# KiCad board All_Bloks_of_project.kicad_pcb (continued)
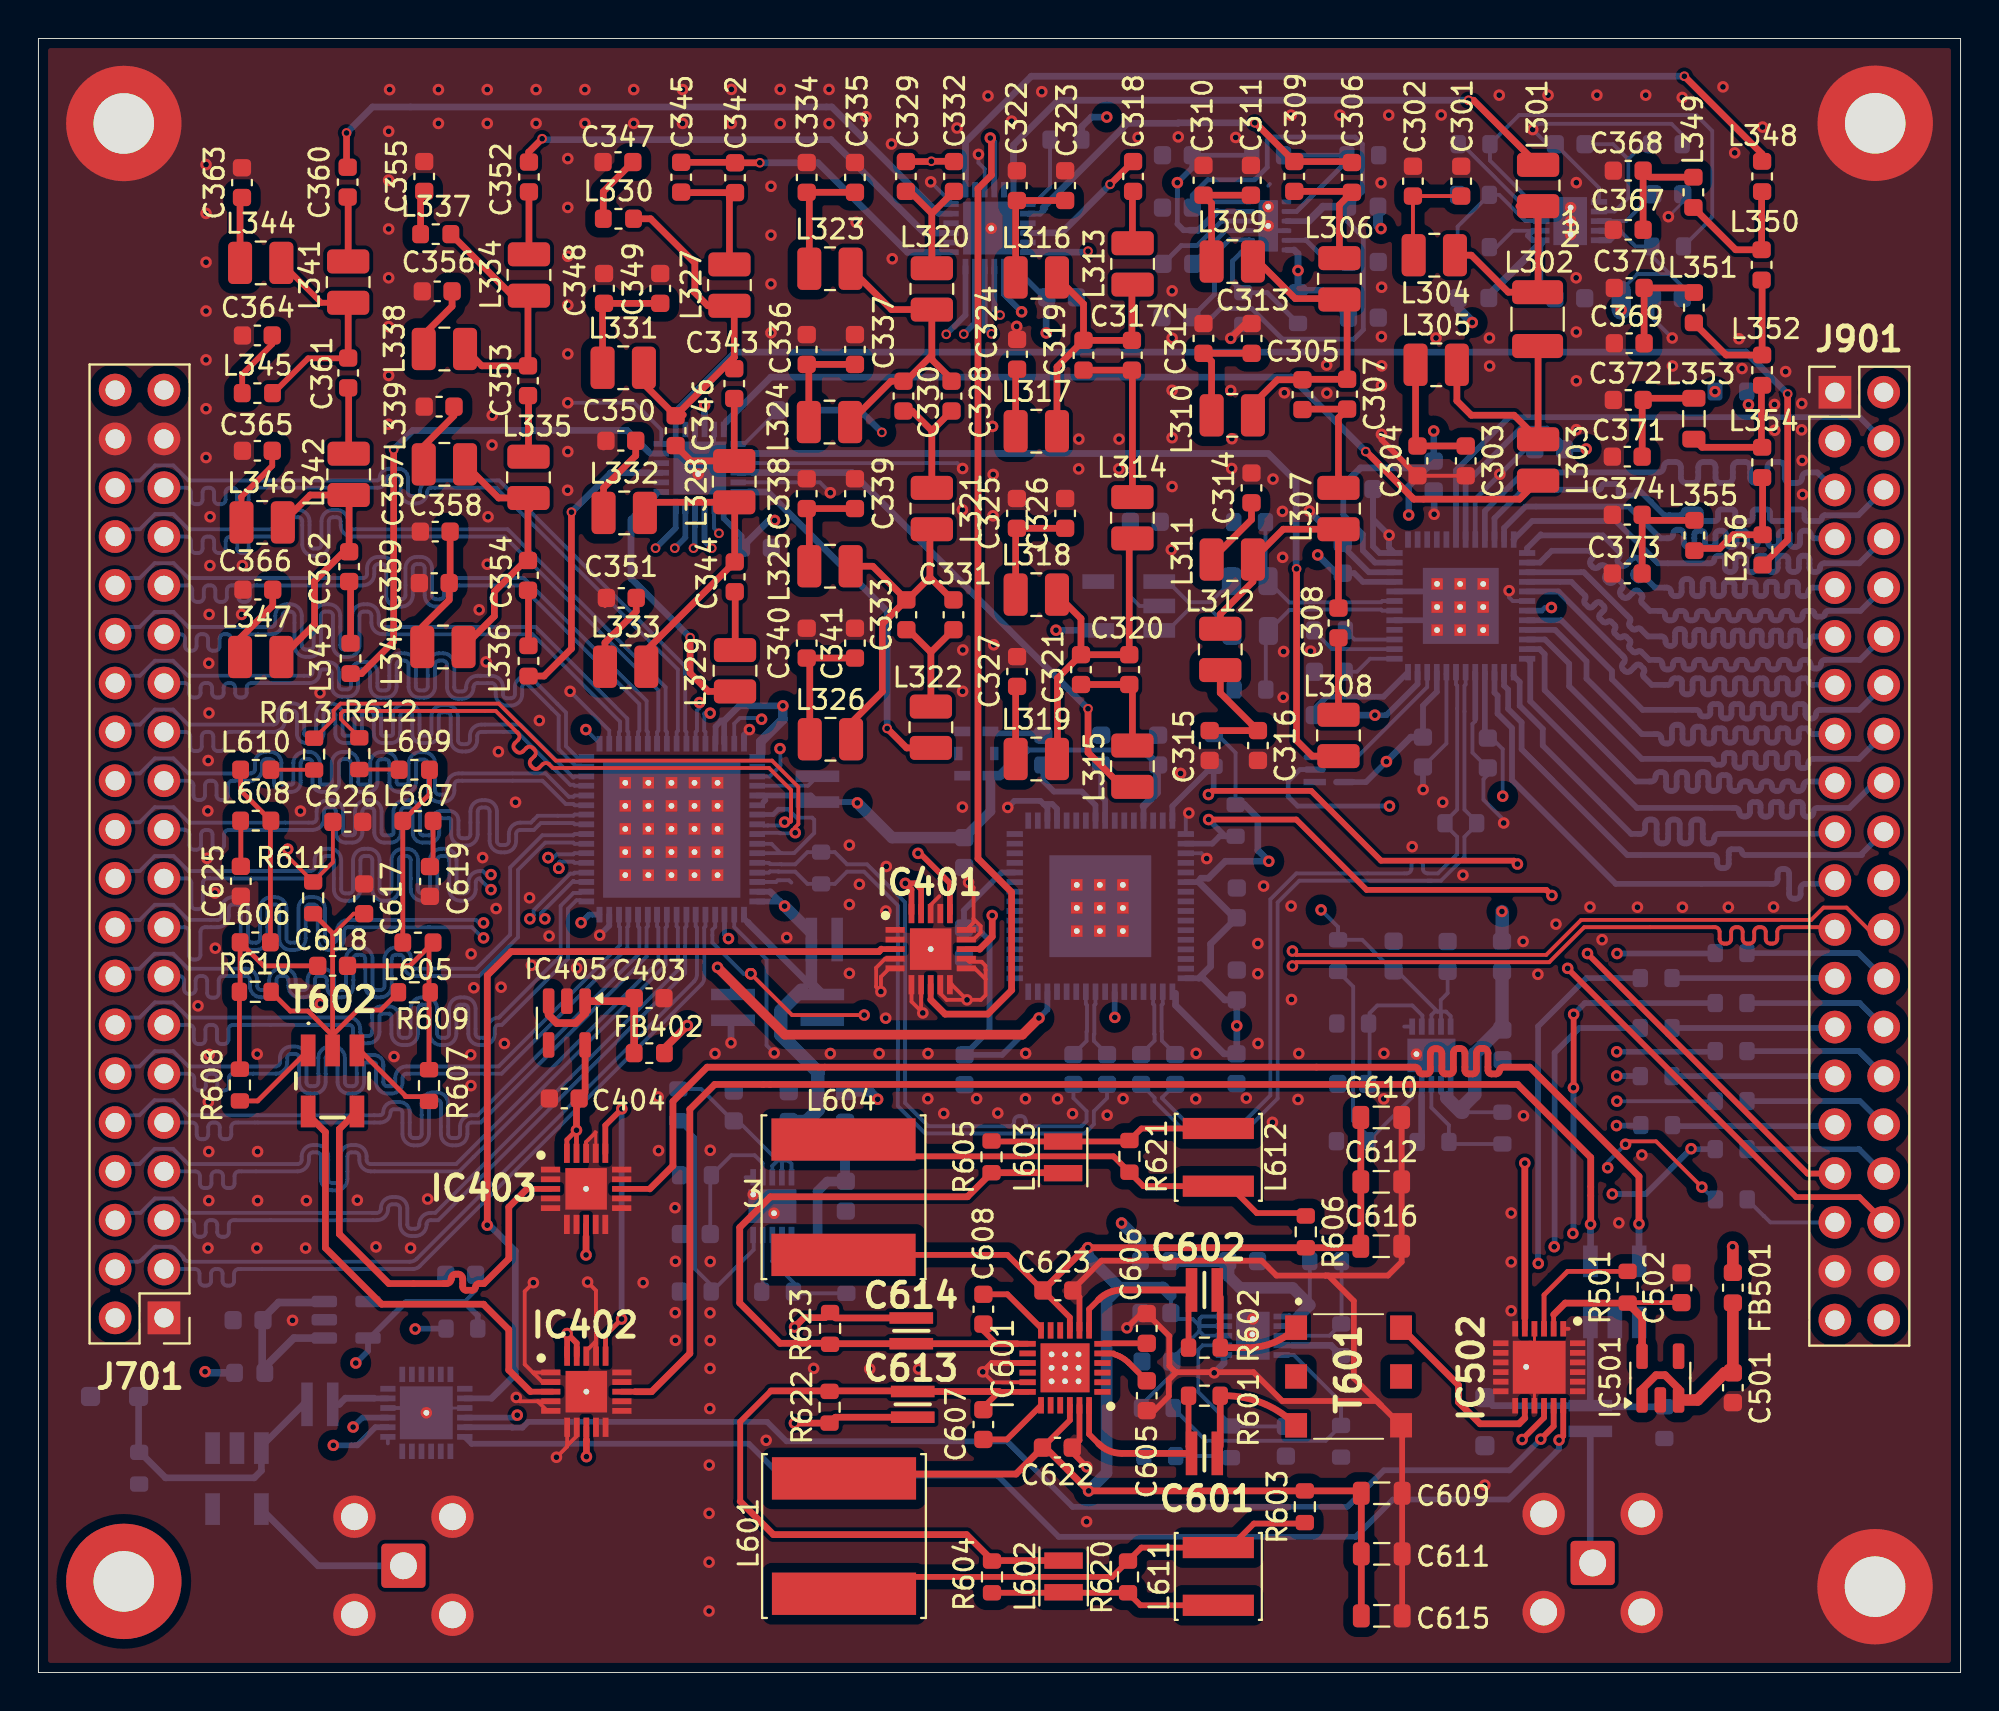
[diagram p0: board, top side]
## Nets (continued)
Pads without a net: IC101 4; IC201 20; IC202 20; IC203 1; IC405 4; IC501 4; IC601 1 2 3 4 10 11 14 16 20 21; IC801 1 2 5 6 7 10 11 12 14 15 20 21 23 24 25 26 27 28 29 30 31 36 37 38 40 43 44 45 47 48 49 50 51 52 53 54 55 56 57 58 59 61 62 63 64; IC901 16 25 26 27 28 29; J701 39 40; J901 22 39 40; NOREF#53 M3; T101 2; T601 2 5; T902 2; U902 1; X801 5

## Via types
v1: diameter 0.6, hole 0.3, Top to Bottom, 400 vias
v2: diameter 0.5, hole 0.3, Top to Bottom, 27 vias

## Routing (per net, layer and track width the routed paths; a pad name or vN(x,y) marks a point on that pad's centre or on a via; arc(x,y) is an arc through that point)
+1.8V_ADC: length 134.1
  Top w0.5: v1(52.05,34.05) 51.19,33.18 38.83,33.18 v1(35.33,36.68)
  In2.Cu w0.4: v1(28.23,39) 28.84,39.61 28.84,48.59 28.38,49.05 v1(28.48,49.05)
  In2.Cu w0.5: 67.08,39.32 64.2,42.2 v1(64.01,42.2) ; v1(28.23,39) 28.23,37.6 29.16,36.68 v1(35.33,36.68)
  In2.Cu w0.7: v1(52.05,34.05) 52.05,34.04 52.48,33.61 55.53,33.61 v1(56,34.08) 56.44,33.64 v1(62.34,33.64) 65.5,33.64 67.61,35.75 67.61,38.79 v1(66.73,39.67)
  Bottom w0.2: 59.16,35.33 59.07,35.42 IC801.33 ; 62.34,32.2 C821.1 ; 48.13,39.64 48.15,39.62 ; IC703.10 73.47,34.14 73.23,34.38 72.95,34.38 ; R802.2 62.28,47.85 61.34,48.79 R801.2 ; v1(66.73,39.67) 67.61,38.78 R710.2 68.87,38.11 70.49,36.49 C711.1 70.68,36.49 72.8,34.38 ; IC801.32 60.37,36.12 ; C712.1 73.32,35.34 72.95,34.98 72.95,34.38 ; IC701.49 29.19,48.34 v1(28.48,49.05) ; 72.8,34.38 72.95,34.38 ; 72.8,34.38 72.64,34.38 72.47,34.2 IC703.8 ; 72.95,34.38 72.97,34.36 IC703.9 ; 55.99,34.09 v1(56,34.08) ; C802.1 62.22,39.26 ; 60.37,41.12 IC801.22 ; C805.1 61.7,34.99
  Bottom w0.3: 60.48,41.32 60.28,41.12 IC801.22 ; IC801.46 52.49,34.49 v1(52.05,34.05) 50.14,32.13 C803.2 49.48,33.43 49.48,38.08 48.83,38.73 C804.2 48.15,39.62 ; IC701.32 28.65,39.42 v1(28.23,39) ; v1(35.33,36.68) 36.13,35.88 C703.2 ; IC801.39 55.99,34.09 ; 60.59,36.12 IC801.32 ; IC801.60 50.11,41.62 48.13,39.64
  Bottom w0.35: C821.1 61.68,32.19 59.16,34.71 59.16,35.33 ; 62.34,32.2 v1(62.34,33.64) C805.1 61.72,34.99 60.59,36.12 ; 60.48,41.32 60.87,41.32 61.75,42.2 v1(64.01,42.2) 63.44,42.77 63.44,44.45 62.74,45.15 R802.2 ; C802.1 60.98,37.9 60.98,36.73 60.37,36.12 ; 62.22,39.26 60.37,41.12
+3.3V_ADC: length 87.6
  In2.Cu w0.6: v1(38.73,50.28) 38.73,50.26 42.61,46.38 v1(42.61,45.23) 38.82,41.45 v1(38.82,39.87)
  Bottom w0.2: 38.66,26.63 38.45,26.63 ; 38.66,26.63 39.01,26.63 ; 38.66,26.63 38.68,26.61 IC702.9 ; 38.45,26.63 36.39,28.69 C707.1 ; 38.45,26.63 38.18,26.36 IC702.8 ; 39.01,26.63 39.01,28.64 C708.1 ; 39.01,26.63 39.18,26.46 IC702.10 ; 36.14,28.69 34.48,30.35 R705.2
  Bottom w0.25: 51.35,47.98 57.48,47.98
  Bottom w0.3: IC701.17 36.71,39.22 36.92,39.01 ; 37.72,45.28 37.82,45.38 ; v1(42.61,45.23) 42.56,45.28 C704.2 40.19,45.62 IC701.5 ; IC701.15 38.07,40.62 ; 58.2,47.15 C801.1 ; 35.67,49.5 35.67,48.31 ; IC701.16 38.58,40.11 ; 40.21,38.47 C705.2 ; C702.2 39.92,35.27 ; IC801.13 57.49,45.07 ; 35.23,48.31 35.23,49.21 35.52,49.5
  Bottom w0.35: 36.92,39.01 36.92,39 40.06,35.86 39.69,35.5 39.92,35.27 ; 38.07,40.62 v1(38.82,39.87) 38.58,40.11 ; v1(38.73,50.28) 36.45,50.28 35.67,49.5 35.52,49.5 ; X801.6 50.02,46.66
  Bottom w0.4: 58.2,47.15 58.2,45.77 57.49,45.07 ; 57.48,47.98 C801.1
  Bottom w0.5: v1(38.73,50.28) 38.73,49.57 37.58,48.42 37.58,47.81 ; X801.6 49.53,44.8 C806.2 ; 40.21,35.84 C702.2 ; 50.02,46.66 51.35,47.98
  Bottom w0.6: v1(42.61,45.23) 44.41,43.43 C806.2 ; C705.2 40.21,35.84 ; v1(38.82,39.87) 40.21,38.47
  Bottom w0.7: C708.1 39.96,28.66 40.55,29.26 40.55,31.23 38.63,33.16 38.63,34.43 39.69,35.5
+3.3V_B2: length 61.1
  In2.Cu w0.25: 35.55,59.26 v2(35.41,59.26)
  In2.Cu w0.3: v1(55.58,80.91) 56.27,80.22 56.27,78.55 56.85,77.97 58.76,77.97 59.23,77.5 v1(59.25,77.5) ; v2(43.88,64.51) 46.84,64.51 51.62,69.29 51.62,70.27 51.15,70.74 v1(51.15,70.78)
  In2.Cu w0.35: v1(51.15,70.78) 52.53,70.78 v1(59.25,77.5) ; v2(43.88,64.51) 41.42,64.51 36.17,59.26 v2(35.41,59.26)
  Bottom w0.2: v2(35.41,59.26) 35.16,59.51 IC202.8
  Bottom w0.25: 61.33,76 IC203.11 ; v1(59.25,77.5) 59.25,75.35 ; C207.2 R203.2
  Bottom w0.3: IC201.8 50.23,71.7 v1(51.15,70.78) ; 59.25,75.35 59.58,75.02 59.91,75.02 ; v1(59.25,77.5) 60.03,78.27 C207.2
  Bottom w0.35: R202.2 42.73,65.66 v2(43.88,64.51) ; 59.91,75.02 60.35,75.02 61.33,76 ; v1(55.58,80.91) 54.78,80.91 54.28,80.41 R201.2
+3.3V_DAC: length 131.4
  In2.Cu w0.2: 77.31,55.32 77.31,55.37
  In2.Cu w0.35: 77.31,55.32 76.53,54.54 76.53,53.04 76.47,52.98 72.03,52.98 71.53,53.48 71.53,59.97 v1(71.29,60.21) ; v1(78.71,55.4) 78.69,55.37 77.31,55.37 ; v1(70.13,47.38) 70.13,47.16 70.25,47.28 74.48,47.28 v1(76.18,45.58)
  In2.Cu w0.5: v1(72.59,64.58) 72.6,64.57
  In2.Cu w0.6: v1(66.55,58.13) 66.55,56.19 69.64,53.11 69.64,49.91 v1(69.53,49.8) 69.53,47.98 v1(70.13,47.38)
  In2.Cu w0.7: v1(66.55,58.13) 66.55,59.18 71.93,64.56 72.57,64.56 v1(72.59,64.58)
  In2.Cu w0.8: v1(80.52,63.64) 80.38,63.5 73.67,63.5 v1(72.59,64.58)
  In2.Cu w1: v1(82.35,70.88) 81.74,70.27 81.74,64.86 v1(80.52,63.64)
  Bottom w0.2: v1(76.18,45.58) 76.18,48.03 75.61,48.6 C901.1 75.25,48.76 ; 85.52,71.5 85.52,72.1 83.94,73.69 R908.2 83.08,74.18 ; 80.51,63.63 v1(80.52,63.64) ; 83.09,74.18 82.27,75 ; 81.57,74.5 IC902.10 81.2,74.49 ; 78.21,55.22 78.2,55.24 ; IC902.8 82.6,75.5 C911.1 ; C908.2 79.4,63.79 ; 84.82,72.74 83.19,72.74 82.35,71.9 ; 67.51,57.18 C906.1 ; 75.3,51.92 arc(75.29,51.98) IC901.4
  Bottom w0.25: 78.21,55.22 78.39,55.4 v1(78.71,55.4)
  Bottom w0.3: IC901.21 68.9,56.74 68.45,57.18 C906.1 ; 75.25,48.76 IC901.4 ; IC901.31 74.25,61.84 77.11,64.7 78.48,64.7 79.4,63.79 ; U902.5 69.07,46.32 v1(70.13,47.38) ; 72.03,48.65 72.03,50.29 72.75,51.01 IC901.9 ; IC901.11 71.75,51.42 70.13,49.8 v1(69.53,49.8) ; C908.2 80.51,63.63 ; 78.2,55.24 IC901.43 ; IC902.10 81.74,74.5 82.25,75.01 81.77,75.5 IC902.8 ; 82.27,75 IC902.9 ; IC901.23 69.53,57.74 68.91,58.36 68.91,59.2 67.89,60.22 C907.1
  Bottom w0.35: 72.03,48.65 71.4,48.65 v1(70.13,47.38) ; 72.59,63.01 72.23,62.66 68.78,62.66 67.89,61.76 C907.1 ; 72.59,63.01 71.29,61.71 v1(71.29,60.21) ; 72.59,63.01 v1(72.59,64.58) ; C903.1 v1(69.53,49.8) ; v1(66.55,58.13) 67.51,57.18
  Bottom w1: 82.35,71.9 v1(82.35,70.88)
+5V: length 12.8
  Top w0.2: 88.16,22.13 v1(88.14,22.15) ; FB402.1 32.57,32.47
  Top w0.4: 32.57,32.47 v1(33.76,33.66)
  Top w0.6: 88.16,20.8 88.16,22.13
  Bottom w0.2: 69.69,75.27 v1(69.85,75.11) ; 8.73,15.59 v1(8.67,15.65) ; 76.14,39.58 v1(76.14,39.59)
  Bottom w0.4: FB102.1 8.73,15.59
  Bottom w0.5: FB201.1 69.69,75.27 ; 73.89,70.93 v1(74.6,70.22) ; v1(43.66,29.82) 43.27,30.21 FB701.1
  Bottom w0.6: FB601.1 57.33,22.4 v1(56.35,23.38)
  Bottom w0.7: FB702.1 76.14,39.58
+5V_B6: length 105.1
  Top w0.3: IC601.9 53.66,18.48 C623.2 50.41,21.72 L604.2 ; 68.72,22.1 C616.1 ; v1(54.64,9.45) 54.58,9.4 ; L601.1 42.14,10.32 ; IC601.22 53.66,13.12 C622.2 52.39,11.7 ; 68.7,9.45 C609.1
  Top w0.35: 68.7,9.45 R603.2 v1(54.64,9.45) 52.39,11.7 ; C615.1 C609.1 ; C623.2 54.49,22.1 R606.2 68.72,22.1 ; 42.14,10.32 50.86,10.32 C622.2 ; C616.1 C610.1
  Bottom w0.2: C620.1 58.92,19.62 ; 60.4,17.76 60.64,17.52 IC602.8 ; 60.4,17.76 60.4,17.99 ; 60.4,17.76 58.97,16.32 C621.1 58.97,15.5 57.39,13.92 R617.2 ; IC602.9 60.43,18.02 60.4,17.99 ; IC602.10 60.53,18.52 60.4,18.39 60.4,18.04 ; 60.4,18.04 60.05,18.39 58.89,18.39 ; 60.4,18.04 60.4,17.99
  Bottom w0.6: v1(54.6,22.1) 54.6,21.66 56.23,20.03 ; 56.23,20.03 58.51,20.03 58.92,19.62 ; 56.23,20.03 55.57,19.37 55.57,10.38 v1(54.64,9.45)
-3.0V_B2: length 48.3
  In2.Cu w0.35: v1(38.3,59.93) 43.63,59.93 52.43,68.73 v1(52.43,69.68) 53.46,70.71 63.31,70.71 v1(65.53,72.93)
  Bottom w0.2: 52.45,71.76 C205.1 52.43,71.51
  Bottom w0.3: IC202.7 35.66,60.03 36.58,59.11 C202.1 ; 65.33,74 IC203.6 ; IC201.7 52.33,71.53
  Bottom w0.35: 52.33,71.53 C205.1 ; 65.33,74 65.53,73.8 v1(65.53,72.93) R206.2 ; C202.1 38,59.93 v1(38.3,59.93) ; 65.51,71.9 66.78,71.9 68.13,70.55 ; v1(52.43,69.68) 52.43,71.51
/+3.3V_B4: length 49.6
  Top w0.25: IC403.20 27.49,27.71 v1(27.99,28.21) IC403.19 ; 27.99,29.72 C404.1 28.44,30.17
  Top w0.3: IC401.19 45.92,40.75 45.62,41.05 v1(45.1,41.05) 45.42,40.73 IC401.20 ; IC402.20 v1(27.51,17.63) 28.01,17.13 IC402.19
  Top w0.35: 28.44,30.17 IC405.5 ; v1(27.99,28.21) 27.99,29.72
  In2.Cu w0.3: v1(27.51,17.63) 27.51,27.72 ; v1(27.99,28.21) 35.92,28.21 43.03,35.32 43,35.35 43,39.85 44.2,41.05 v1(45.1,41.05)
  In2.Cu w0.35: 27.51,27.72 v1(27.99,28.21)
/+3.3V_B5: length 10.7
  Top w0.25: R501.1 82.7,19.24 C502.1 ; IC502.2 78.83,18.62
  Top w0.35: 78.83,18.62 79.43,19.22 R501.1
  Top w0.4: R501.1 83.43,18.47 83.43,16.45
/+5V_B1: length 18.7
  In2.Cu w0.3: v1(15.34,11.82) 15.34,14.93 v1(16.51,16.1)
  Bottom w0.2: C103.1 22.75,19.86 22.15,19.27 ; IC101.5 17.24,17.4
  Bottom w0.3: IC101.5 17.15,16.73 16.51,16.09 ; v1(15.34,11.82) 16.59,11.82 17.53,12.76 IC104.2 ; R102.1 22.86,18.56 22.15,19.27 19.11,19.27 17.24,17.4
GND: length 309.6
  Top w0.15: IC502.4 77.83,16.13 IC502.25 77.83,15.63 IC502.15 ; 28.96,28.13 28.99,28.1 IC403.17
  Top w0.2: IC401.12 48.43,36.97 49.07,36.97 49.27,36.77 49.27,36.56 49.28,36.55 49.28,36.06 ; 29.4,63.67 29.45,63.72 ; IC402.6 27.51,11.8 ; 27.51,11.8 27.51,11.75 v1(26.95,11.2) ; 27.51,11.8 28.01,12.3 IC402.7 ; 25.97,14.11 26.47,13.61 IC402.5 ; 25.97,14.11 IC402.4 ; 25.97,14.11 25.06,14.11 v1(24.86,14.31) ; IC401.10 47.52,35.78 v1(48.31,34.99) ; 48.65,39.2 49.02,38.83 49.02,38.5 48.65,38.13 IC401.14 ; 48.65,39.2 48.65,39.01 IC401.15 ; 48.65,39.2 48.65,40.84 v1(48.39,41.1) ; IC401.4 44.05,37.13 43.58,36.66 43.58,35.67 v1(43.83,35.42) 43.83,36.19 44.27,36.63 IC401.5 ; IC403.18 28.49,27.6 28.99,28.1 ; v1(25.75,20.28) 25.3,19.83 25.3,16.03 25.76,15.57 ; 46.87,40.38 46.42,39.93 IC401.18 ; v1(48.31,34.99) 47.25,34.99 46.92,35.32 IC401.9 ; v1(48.31,34.99) 49.03,34.99 49.28,35.24 49.28,36.06 ; C303.2 C304.2 ; IC502.1 79.61,17.88 ; v1(69.87,64.41) 69.87,64.13 ; IC402.2 26.22,15.11 25.76,15.57 ; 29.47,55.47 29.55,55.55 ; 25.76,15.57 25.8,15.61 IC402.1 ; IC401.11 48.71,36.63 49.28,36.06 ; IC601.17 49.67,15.1 v1(49.13,15.64) ; 29.01,17.12 29.01,19.87 v1(28.57,20.31) ; 29.01,17.12 IC402.17 ; 29.01,17.12 28.95,17.18 28.51,16.73 IC402.18 ; IC401.7 45.92,34.4 v1(46.01,34.31) 45.42,34.9 IC401.6 ; C313.2 62.8,70.17
  Top w0.3: 69.86,13.89 68.44,15.31 68.44,19.32 67.11,20.65 66.96,20.65 ; 69.86,13.89 T601.4 70.95,12.8 C615.2 ; 69.86,13.89 69.63,14.12 64.71,14.12 63.21,15.62 59.21,15.62 59.19,15.6 ; v1(54.54,10.7) 53.79,11.45 C622.1 54.16,12.07 IC601.23 ; IC601.15 49.59,16.1 v1(49.13,15.64) ; v1(56.63,17.93) 57.38,18.67 C606.1 58.84,17.5 58.84,15.95 59.19,15.6 ; 59.19,15.6 58.81,15.22 58.81,14.37 58.06,13.62 C605.1 ; v1(36.03,32.75) 36.04,32.75 ; 69.87,64.13 C304.2 ; 66.96,20.65 70.21,20.65 70.92,21.36 C616.2 C610.2 ; 66.96,20.65 64.41,20.65 63.64,21.42 55.31,21.42 53.81,19.92 C623.1 54.16,19.53 IC601.8
  Top w0.35: 62.8,70.17 v1(62.03,69.4)
  In2.Cu w0.35: v1(76.51,56.27) 73.94,56.27 72.61,57.6 v1(72.61,60.25)
  In2.Cu w0.4: v1(36.03,32.75) 36.32,33.04 36.32,37.07 35.93,37.45 29.53,37.45 29.2,37.79 v1(29.2,38.35)
  Bottom w0.15: C911.2 85.55,76.47 v1(84.8,75.73) ; 73.25,56.24 IC901.49 73.25,54.74 ; NOREF#13.25 20.43,13.76 IC104.15
  Bottom w0.2: v1(41.2,61.37) 40.66,61.91 IC202.5 ; v1(48.91,78.97) 48.91,78.54 49.23,78.21 IC201.21 ; v1(38.28,32.23) 37.88,32.63 37.88,37.1 36.2,38.78 IC701.18 ; IC104.4 19.93,13.76 NOREF#13.25 ; IC902.6 81.19,77.22 C910.2 78.5,79.5 v1(77.74,80.26) 78.04,80.56 84.96,80.56 85.52,80 R907.1 ; v1(62.03,69.4) 62.03,69.48 ; v1(48.08,62.63) 47.8,62.91 IC202.3 ; IC702.4 37.68,19.86 R703.1 ; C704.1 40.04,46.13 IC701.4 37.41,46.11 ; v1(76.51,56.27) 76.51,55.92 76.7,55.74 IC901.42 ; 39.17,41.09 39.05,41.21 38.46,41.21 38.37,41.12 38.36,41.13 IC701.14 ; C902.2 73.25,48.33 IC901.8 arc(73.22,51.99) 73.21,51.93 ; 38.62,42.62 38.14,43.11 IC701.10 ; 38.62,42.62 39.31,42.62 40.36,43.67 40.36,44.36 40.25,44.47 39.43,44.47 39,44.91 38.86,44.91 ; 38.62,42.62 IC701.11 ; IC702.6 36.79,25.76 ; 72.03,45.94 v1(72.04,45.93) ; v1(27.66,51.04) 29.7,49 IC701.50 ; 74.75,49.59 74.75,49.59 74.75,49.48 74.74,49.48 74.61,49.34 74.61,47.85 C901.2 75.41,46.69 75.18,46.47 75.18,45.4 76.23,44.35 v1(76.23,44.19) ; v1(85,69.42) 83.98,70.44 C912.2 ; v1(27.54,66.05) 31,66.05 32.41,64.64 IC202.18 ; C620.2 57.36,18.66 ; 66.38,49.8 66.38,50.11 ; v1(59.85,44.71) 59.69,44.55 IC801.17 ; IC703.6 71.06,33.6 ; 63.98,77.34 64.07,77.43 ; IC104.1 18.18,11.92 ; IC202.23 35.16,63.41 IC202.25 34.16,62.91 IC202.21 ; v1(60.78,42.34) 60.5,42.62 IC801.19 ; v1(46.42,77.54) 47.48,76.48 IC201.18 ; 67.86,58.73 67.8,58.73 ; 71.97,30 71.96,29.99 ; 73.86,79.5 74.05,79.5 77.55,76 IC902.4 ; 36.03,33.83 C703.1 ; 74.7,51.92 arc(74.71,51.98) IC901.5
  Bottom w0.25: C908.1 77.35,63.63 74.75,61.03 IC901.32 ; IC203.4 64.23,75 IC203.13 ; 38.86,44.91 38.5,44.91 38.23,44.63 IC701.7
  Bottom w0.3: IC801.3 52.49,44.98 52.29,45.18 ; 52.29,45.18 52.74,45.18 52.99,44.93 IC801.4 ; 52.29,45.18 52.13,45.34 50.77,45.34 v1(50.43,45) ; v1(36.99,49.05) 36.71,48.77 IC701.64 ; IC602.4 65.25,17.02 ; IC901.17 73.25,54.74 ; v1(29.2,38.35) 29.7,38.85 IC701.31 ; IC703.4 71.97,30 ; 67.86,58.73 67.86,58.58 69.21,57.24 IC901.22 ; IC901.20 73.25,56.24 ; 74.75,49.59 IC901.5 ; IC901.12 69.98,50.76 67.02,50.76 66.38,50.11 ; C902.2 72.03,45.94 ; 69.77,58.24 IC901.24 70.54,58.24 70.26,58.52 70.26,58.71 70.27,58.72 v1(70.27,59.16) 69.44,59.99 C907.2 69.44,58.57 69.77,58.24
  Bottom w0.35: 62.03,69.48 R205.2 ; v1(61.17,15.59) 61.68,16.1 61.68,16.35 ; R708.1 71.96,27.83 71.96,29.99 ; 67.8,58.73 v1(66.12,60.42) ; R101.2 5.28,9.76 ; v1(36.03,32.75) 36.03,33.83 ; C905.1 72.61,61.44 v1(72.61,60.25) ; 57.36,18.66 v1(56.63,17.93) ; R615.1 67.24,17.02 65.25,17.02
  vias: v1(8.3,34.68) v1(8.72,78.44) v1(8.72,75.9) v1(8.72,73.36) v1(8.72,70.82) v1(8.72,68.28) v1(8.72,65.74) v1(8.72,63.2) v1(8.83,47.44) v1(8.81,44.82) v1(8.77,42.35) v1(8.82,22.08) v1(8.92,57.58) v1(8.88,55.04) v1(8.86,52.5) v1(8.87,49.91) v1(8.88,32.15) v1(8.84,29.68) v1(8.86,27.1) v1(8.86,24.55) v1(8.93,60.12) v1(9.18,40.55) v1(9.2,37.68) v1(10.61,57.58) v1(10.57,55.04) v1(11.38,32.17) v1(11.4,27.1) v1(11.4,24.55) v1(11.36,22.08) v1(13.22,18.32) v1(13.63,44.81) v1(13.9,22.08) v1(13.94,24.55) v1(14.65,50.96) v1(14.67,34.78) v1(16.59,24.57) v1(17.56,22.14) v1(18.22,80.17) v1(18.22,77.63) v1(18.22,75.09) v1(18.22,72.55) v1(18.22,70.01) v1(18.22,67.47) v1(18.22,64.93) v1(18.27,82.34) v1(18.5,32.04) v1(19.36,22.08) v1(20.25,24.63) v1(20.81,82.34) v1(20.81,80.58) v1(22.51,37.38) v1(22.49,32.13) v1(22.5,30.53) v1(22.65,35.62) v1(22.93,55.28) v1(23.11,42.39) v1(23.29,52.57) v1(23.35,82.34) v1(23.35,80.58) v1(23.39,60.12) v1(23.35,57.65) v1(23.61,65.4) v1(23.6,63.85) v1(23.81,39.74) v1(23.93,47.9) v1(24.07,35.65) v1(24.24,32.72) v1(24.82,45.27) v1(25.55,40.3) v1(25.65,36.79) v1(25.89,82.34) v1(25.89,80.58) v1(26.06,49.52) v1(26.57,38.31) v1(27.54,78.75) v1(27.54,76.21) v1(27.54,73.67) v1(27.54,71.13) v1(27.54,68.59) v1(27.54,63.51) v1(27.53,61.5) v1(28,36.65) v1(28.43,82.34) v1(28.43,80.58) v1(30.97,82.34) v1(30.97,80.58) v1(31.46,20.28) v1(32.24,29.94) v1(32.26,27.15) v1(33.12,24.18) v1(33.14,21.39) v1(33.13,18.72) v1(33.14,17.28) v1(33.51,82.34) v1(33.51,80.58) v1(34.93,13.73) v1(34.9,10.79) v1(34.89,8.28) v1(34.89,5.74) v1(34.89,3.2) v1(34.95,27.17) v1(34.95,21.38) v1(34.94,18.71) v1(34.95,17.27) v1(34.94,15.82) v1(35.2,32.2) v1(36.05,82.35) v1(36.05,80.58) v1(37.86,12.08) v1(38.11,77.31) v1(38.11,74.77) v1(38.11,72.23) v1(38.11,69.69) v1(38.59,82.35) v1(38.59,80.57) v1(38.93,38.23) v1(40.33,15.82) v1(41.13,82.35) v1(41.13,80.57) v1(41.2,32.2) v1(42.19,43.04) v1(42.19,39.95) v1(42.19,36.37) v1(42.54,75.44) v1(42.71,41) v1(43.05,80.93) v1(43.25,15.79) v1(43.74,32.2) v1(44.11,41.93) v1(44.09,39.61) v1(44.08,34.04) v1(44.38,79.51) v1(44.42,73.54) v1(45.79,15.79) v1(46.28,32.2) v1(46.27,29.85) v1(47.1,29.08) v1(47.79,80.34) v1(48.07,60.48) v1(48.09,53.19) v1(48.08,51.04) v1(48.07,45.02) v1(48.81,29.85) v1(49.4,82.01) v1(49.64,64.82) v1(49.67,62.32) v1(49.66,60.17) v1(49.7,53.46) v1(49.91,29.1) v1(50.63,80.7) v1(50.89,70.02) v1(51.36,32.21) v1(51.35,29.85) v1(52.2,82.23) v1(53.02,29.84) v1(53.8,29.07) v1(54.12,62.61) v1(54.13,64.16) v1(54.53,7.85) v1(55.6,28.99) v1(56.22,64.16) v1(56.21,62.61) v1(56.43,29.85) v1(57.21,79.85) v1(58.98,71.87) v1(58.98,69.41) v1(58.98,66.7) v1(58.98,64.23) v1(58.98,61.69) v1(58.94,58.41) v1(59.3,79.88) v1(59.42,46.77) v1(60.23,32.21) v1(60.21,29.84) v1(62.03,66.69) v1(62.09,64.18) v1(62.08,62.63) v1(62.29,79.85) v1(62.84,29.88) v1(63.44,37.92) v1(63.44,36.35) v1(63.45,32.72) v1(63.74,40.91) v1(64.23,62.08) v1(64.2,28.62) v1(64.72,60.4) v1(64.82,66.57) v1(64.73,58.01) v1(64.78,53.11) v1(64.76,50.73) v1(65.17,81.01) v1(65.17,39.87) v1(65.19,35.01) v1(65.57,32.2) v1(65.53,29.81) v1(66.18,53.13) v1(67.02,68.01) v1(67.03,66.55) v1(67.71,81.01) v1(69.85,77.49) v1(69.88,72.06) v1(69.87,69.49) v1(69.88,67.97) v1(69.87,66.95) v1(70,32.21) v1(69.99,29.84) v1(70.25,81.01) v1(71.47,42.96) v1(72.71,69.42) v1(72.98,81.02) v1(73.06,45.27) v1(74.11,41.48) v1(75.25,9.75) v1(75.49,69.42) v1(75.5,67.96) v1(76,82.05) v1(76.03,62.33) v1(76.62,23.9) v1(76.62,21.36) v1(76.62,18.82) v1(77.24,38.03) v1(77.26,28.96) v1(78.01,36.32) v1(78.54,82.05) v1(78.95,38.93) v1(80.01,77.5) v1(80,72.55) v1(80.01,69.73) v1(80.01,67.19) v1(80.01,64.65) v1(80.72,39.82) v1(81.08,82.05) v1(81.35,38.12) v1(82.22,23.39) v1(83.19,39.81) v1(83.42,26.92) v1(83.62,82.05) v1(85.01,67.96) v1(85.52,81.93) v1(85.53,39.81) v1(87.64,82.48) v1(87.92,39.81) v1(88.25,79.05) v1(88.47,69.38) v1(88.63,67.83) v1(89.7,80.39) v1(90.32,65.96) v1(90.33,64.62) v1(90.27,39.82) v1(90.9,67.67) v1(91.74,66.01) v1(91.73,64.64) v1(91.76,63.05) v1(91.78,61.28)
/ADC_5_N: length 3.6
  Bottom w0.2: C818.1 55.6,32.17 54.91,32.85 54.91,33.19 54.93,33.22 54.93,34.72 54.99,34.78 IC801.41
/ADC_5_P: length 3.6
  Bottom w0.2: C809.1 53.85,32.17 54.53,32.85 54.53,33.34 54.55,33.36 54.55,34.72 54.49,34.78 IC801.42
/ADC_CLK_N: length 32.4
  Bottom w0.2: IC701.13 38,41.61 38.07,41.67 38.49,41.67 38.5,41.66 39.37,41.66 40.01,41.02 R701.1 41.43,41.02 42.07,41.66 42.95,41.66 44.71,39.9 44.71,29.47 46.14,28.04 54.43,28.04 54.91,28.52 54.91,29.2 55.6,29.88 C818.2
/ADC_CLK_P: length 32.4
  Bottom w0.2: IC701.12 38,42.12 38.07,42.05 38.64,42.05 38.65,42.04 39.37,42.04 40.01,42.67 R701.2 41.43,42.67 42.07,42.04 43.11,42.04 45.09,40.06 45.09,29.63 46.3,28.42 50.52,28.42 arc(50.69,28.49) 50.76,28.66 50.76,28.7 arc(50.83,28.87) 51,28.94 51.12,28.94 arc(51.29,28.87) 51.36,28.7 51.36,28.66 arc(51.43,28.49) 51.6,28.42 54.27,28.42 54.53,28.68 54.53,29.2 53.85,29.88 C809.2
/ADC_D0_N: length 40.4
  Bottom w0.2: J701.3 8.14,20.99 arc(8.31,20.92) 8.38,20.75 8.38,20.37 arc(8.45,20.2) 8.62,20.13 8.74,20.13 arc(8.91,20.2) 8.98,20.37 8.98,20.75 arc(9.05,20.92) 9.22,20.99 9.34,20.99 arc(9.51,20.92) 9.58,20.75 9.58,20.37 arc(9.65,20.2) 9.82,20.13 9.94,20.13 arc(10.11,20.2) 10.18,20.37 10.18,20.75 arc(10.25,20.92) 10.42,20.99 19.48,20.99 arc(19.67,21.03) 19.84,21.14 34.49,35.79 arc(34.6,35.95) 34.64,36.15 34.64,38.75 34.7,38.81 IC701.21
/ADC_D0_P: length 40.4
  Bottom w0.2: J701.4 4.22,21.22 arc(4.39,21.33) 4.58,21.37 5.15,21.37 arc(5.27,21.39) 5.37,21.46 6.04,22.13 arc(6.06,22.14) 6.09,22.15 6.12,22.15 6.87,22.15 arc(6.99,22.13) 7.09,22.06 7.52,21.63 arc(7.55,21.59) 7.56,21.53 7.56,21.52 arc(7.72,21.41) 7.91,21.37 19.32,21.37 arc(19.52,21.41) 19.68,21.52 34.11,35.95 arc(34.22,36.11) 34.26,36.3 34.26,38.75 34.19,38.81 IC701.22
/ADC_D1_N: length 40.4
  Bottom w0.2: IC701.23 33.71,38.81 33.65,38.75 33.65,36.38 20.8,23.53 20.4,23.53 arc(20.25,23.47) 20.19,23.32 20.19,23.3 arc(20.02,22.88) 19.6,22.71 19.4,22.71 arc(18.99,22.88) 18.81,23.3 18.81,24.14 arc(18.75,24.29) 18.6,24.35 18.4,24.35 arc(18.25,24.29) 18.19,24.14 18.19,24.12 arc(18.02,23.7) 17.6,23.53 10.14,23.53 arc(9.97,23.46) 9.9,23.29 9.9,22.91 arc(9.83,22.74) 9.66,22.67 9.54,22.67 arc(9.37,22.74) 9.3,22.91 9.3,23.29 arc(9.23,23.46) 9.06,23.53 8.94,23.53 arc(8.77,23.46) 8.7,23.29 8.7,22.91 arc(8.63,22.74) 8.46,22.67 8.34,22.67 arc(8.17,22.74) 8.1,22.91 8.1,23.29 arc(8.03,23.46) 7.86,23.53 J701.5
/ADC_D1_P: length 40.5
  Bottom w0.2: IC701.24 33.2,38.81 33.27,38.75 33.27,36.54 20.64,23.91 20.4,23.91 arc(19.99,23.74) 19.81,23.32 19.81,23.3 arc(19.75,23.15) 19.6,23.09 19.4,23.09 arc(19.25,23.15) 19.19,23.3 19.19,24.14 arc(19.02,24.56) 18.6,24.73 18.4,24.73 arc(17.99,24.56) 17.81,24.14 17.81,24.12 arc(17.75,23.97) 17.6,23.91 7.75,23.91 7,24.66 6.06,24.66 5.31,23.91 4.37,23.91 J701.6
/ADC_D2_N: length 40.4
  Bottom w0.2: IC701.25 32.69,38.81 32.63,38.75 32.63,36.81 21.89,26.07 17.28,26.07 arc(16.87,26.24) 16.69,26.66 16.69,26.85 arc(16.63,27) 16.48,27.06 16.28,27.06 arc(16.14,27) 16.07,26.85 16.07,25.67 arc(15.9,25.25) 15.48,25.08 15.28,25.08 arc(14.87,25.25) 14.69,25.67 14.69,26.85 arc(14.63,27) 14.48,27.06 14.28,27.06 arc(14.14,27) 14.07,26.85 14.07,26.66 arc(13.9,26.24) 13.48,26.07 10.44,26.07 arc(10.27,26) 10.2,25.83 10.2,25.44 arc(10.13,25.27) 9.96,25.2 9.84,25.2 arc(9.67,25.27) 9.6,25.44 9.6,25.83 arc(9.53,26) 9.36,26.07 9.24,26.07 arc(9.07,26) 9,25.83 9,25.44 arc(8.93,25.27) 8.76,25.2 8.64,25.2 arc(8.47,25.27) 8.4,25.44 8.4,25.83 arc(8.33,26) 8.16,26.07 J701.7
/ADC_D2_P: length 40.5
  Bottom w0.2: J701.8 4.37,26.45 5.26,26.45 6.05,27.24 7.01,27.24 7.8,26.45 13.48,26.45 arc(13.63,26.51) 13.69,26.66 13.69,26.85 arc(13.87,27.27) 14.28,27.44 14.48,27.44 arc(14.9,27.27) 15.07,26.85 15.07,25.67 arc(15.14,25.52) 15.28,25.46 15.48,25.46 arc(15.63,25.52) 15.69,25.67 15.69,26.85 arc(15.87,27.27) 16.28,27.44 16.48,27.44 arc(16.9,27.27) 17.07,26.85 17.07,26.66 arc(17.14,26.51) 17.28,26.45 21.73,26.45 32.25,36.97 32.25,38.75 32.19,38.81 IC701.26
/ADC_D3_N: length 40.4
  Bottom w0.2: J701.9 7.99,28.61 arc(8.16,28.54) 8.23,28.37 8.23,27.98 arc(8.3,27.81) 8.47,27.74 8.59,27.74 arc(8.76,27.81) 8.83,27.98 8.83,28.37 arc(8.9,28.54) 9.07,28.61 9.19,28.61 arc(9.36,28.54) 9.43,28.37 9.43,27.98 arc(9.5,27.81) 9.67,27.74 9.79,27.74 arc(9.96,27.81) 10.03,27.98 10.03,28.37 arc(10.1,28.54) 10.27,28.61 17.78,28.61 arc(18.16,28.77) 18.32,29.14 arc(18.36,29.25) 18.47,29.3 18.78,29.3 arc(18.89,29.25) 18.94,29.14 18.94,28.01 arc(19.11,27.59) 19.53,27.42 19.73,27.42 arc(20.14,27.59) 20.32,28.01 20.32,29.59 arc(20.38,29.74) 20.53,29.8 20.73,29.8 arc(20.88,29.74) 20.94,29.59 20.94,28.01 arc(21.11,27.59) 21.53,27.42 21.73,27.42 arc(22.14,27.59) 22.32,28.01 22.32,28.4 arc(22.38,28.55) 22.53,28.61 23.01,28.61 31.64,37.24 31.64,38.75 31.7,38.81 IC701.27
/ADC_D3_P: length 40.5
  Bottom w0.2: J701.10 4.37,28.99 5.26,28.99 6.04,29.77 7.02,29.77 7.8,28.99 17.78,28.99 arc(17.89,29.04) 17.94,29.14 arc(18.09,29.52) 18.47,29.68 18.78,29.68 arc(19.16,29.52) 19.32,29.14 19.32,28.01 arc(19.38,27.86) 19.53,27.8 19.73,27.8 arc(19.88,27.86) 19.94,28.01 19.94,29.59 arc(20.11,30.01) 20.53,30.18 20.73,30.18 arc(21.14,30.01) 21.32,29.59 21.32,28.01 arc(21.38,27.86) 21.53,27.8 21.73,27.8 arc(21.88,27.86) 21.94,28.01 21.94,28.4 arc(22.11,28.82) 22.53,28.99 22.85,28.99 31.26,37.4 31.26,38.75 31.2,38.81 IC701.28
/ADC_D4_N: length 40.4
  Bottom w0.2: IC701.29 30.69,38.81 30.64,38.76 30.64,37.69 24.1,31.15 19.15,31.15 arc(19,31.09) 18.94,30.94 18.94,30.71 arc(18.77,30.29) 18.35,30.12 18.15,30.12 arc(17.74,30.29) 17.56,30.71 17.56,31.63 arc(17.53,31.71) 17.46,31.74 17.05,31.74 arc(16.97,31.71) 16.94,31.63 16.94,30.71 arc(16.77,30.29) 16.35,30.12 16.15,30.12 arc(15.74,30.29) 15.56,30.71 15.56,31.97 arc(15.5,32.12) 15.35,32.18 15.15,32.18 arc(15,32.12) 14.94,31.97 14.94,30.71 arc(14.77,30.29) 14.35,30.12 14.15,30.12 arc(13.74,30.29) 13.56,30.71 13.56,31.97 arc(13.5,32.12) 13.35,32.18 13.15,32.18 arc(13,32.12) 12.94,31.97 12.94,31.74 arc(12.77,31.32) 12.35,31.15 10.15,31.15 arc(9.98,31.08) 9.91,30.91 9.91,30.52 arc(9.84,30.35) 9.67,30.28 9.55,30.28 arc(9.38,30.35) 9.31,30.52 9.31,30.91 arc(9.24,31.08) 9.07,31.15 8.95,31.15 arc(8.78,31.08) 8.71,30.91 8.71,30.52 arc(8.64,30.35) 8.47,30.28 8.35,30.28 arc(8.18,30.35) 8.11,30.52 8.11,30.91 arc(8.04,31.08) 7.87,31.15 J701.11
/ADC_D4_P: length 40.5
  Bottom w0.2: J701.12 4.37,31.53 5.26,31.53 6.05,32.32 7.02,32.32 7.81,31.53 12.35,31.53 arc(12.5,31.59) 12.56,31.74 12.56,31.97 arc(12.74,32.39) 13.15,32.56 13.35,32.56 arc(13.77,32.39) 13.94,31.97 13.94,30.71 arc(14,30.56) 14.15,30.5 14.35,30.5 arc(14.5,30.56) 14.56,30.71 14.56,31.97 arc(14.74,32.39) 15.15,32.56 15.35,32.56 arc(15.77,32.39) 15.94,31.97 15.94,30.71 arc(16,30.56) 16.15,30.5 16.35,30.5 arc(16.5,30.56) 16.56,30.71 16.56,31.63 arc(16.71,31.98) 17.05,32.12 17.46,32.12 arc(17.8,31.98) 17.94,31.63 17.94,30.71 arc(18,30.56) 18.15,30.5 18.35,30.5 arc(18.5,30.56) 18.56,30.71 18.56,30.94 arc(18.74,31.36) 19.15,31.53 23.94,31.53 30.26,37.85 30.26,38.76 30.21,38.81 IC701.30
/ADC_D5_N: length 40.3
  Bottom w0.2: IC701.33 28.25,40.11 28.19,40.17 27.99,40.17 27.55,39.73 27.55,37.13 24.11,33.69 23.95,33.69 arc(23.8,33.63) 23.74,33.48 23.74,33.23 arc(23.57,32.81) 23.15,32.64 22.95,32.64 arc(22.54,32.81) 22.36,33.23 22.36,34.53 arc(22.3,34.68) 22.15,34.74 21.95,34.74 arc(21.8,34.68) 21.74,34.53 21.74,33.23 arc(21.57,32.81) 21.15,32.64 20.95,32.64 arc(20.54,32.81) 20.36,33.23 20.36,34.53 arc(20.3,34.68) 20.15,34.74 19.95,34.74 arc(19.8,34.68) 19.74,34.53 19.74,33.23 arc(19.57,32.81) 19.15,32.64 18.95,32.64 arc(18.54,32.81) 18.36,33.23 18.36,34.17 arc(18.33,34.24) 18.26,34.27 17.84,34.27 arc(17.77,34.24) 17.74,34.17 17.74,33.32 arc(17.57,32.9) 17.15,32.73 16.95,32.73 arc(16.54,32.9) 16.36,33.32 16.36,33.48 arc(16.3,33.63) 16.15,33.69 10.13,33.69 arc(9.96,33.62) 9.89,33.45 9.89,32.93 arc(9.82,32.76) 9.65,32.69 9.53,32.69 arc(9.36,32.76) 9.29,32.93 9.29,33.45 arc(9.22,33.62) 9.05,33.69 8.93,33.69 arc(8.76,33.62) 8.69,33.45 8.69,32.93 arc(8.62,32.76) 8.45,32.69 8.33,32.69 arc(8.16,32.76) 8.09,32.93 8.09,33.45 arc(8.02,33.62) 7.85,33.69 J701.13